# Altium PCB PrintNC_GRBLHAL_Breakout.pcbdoc (part 4 of 9) (continued)
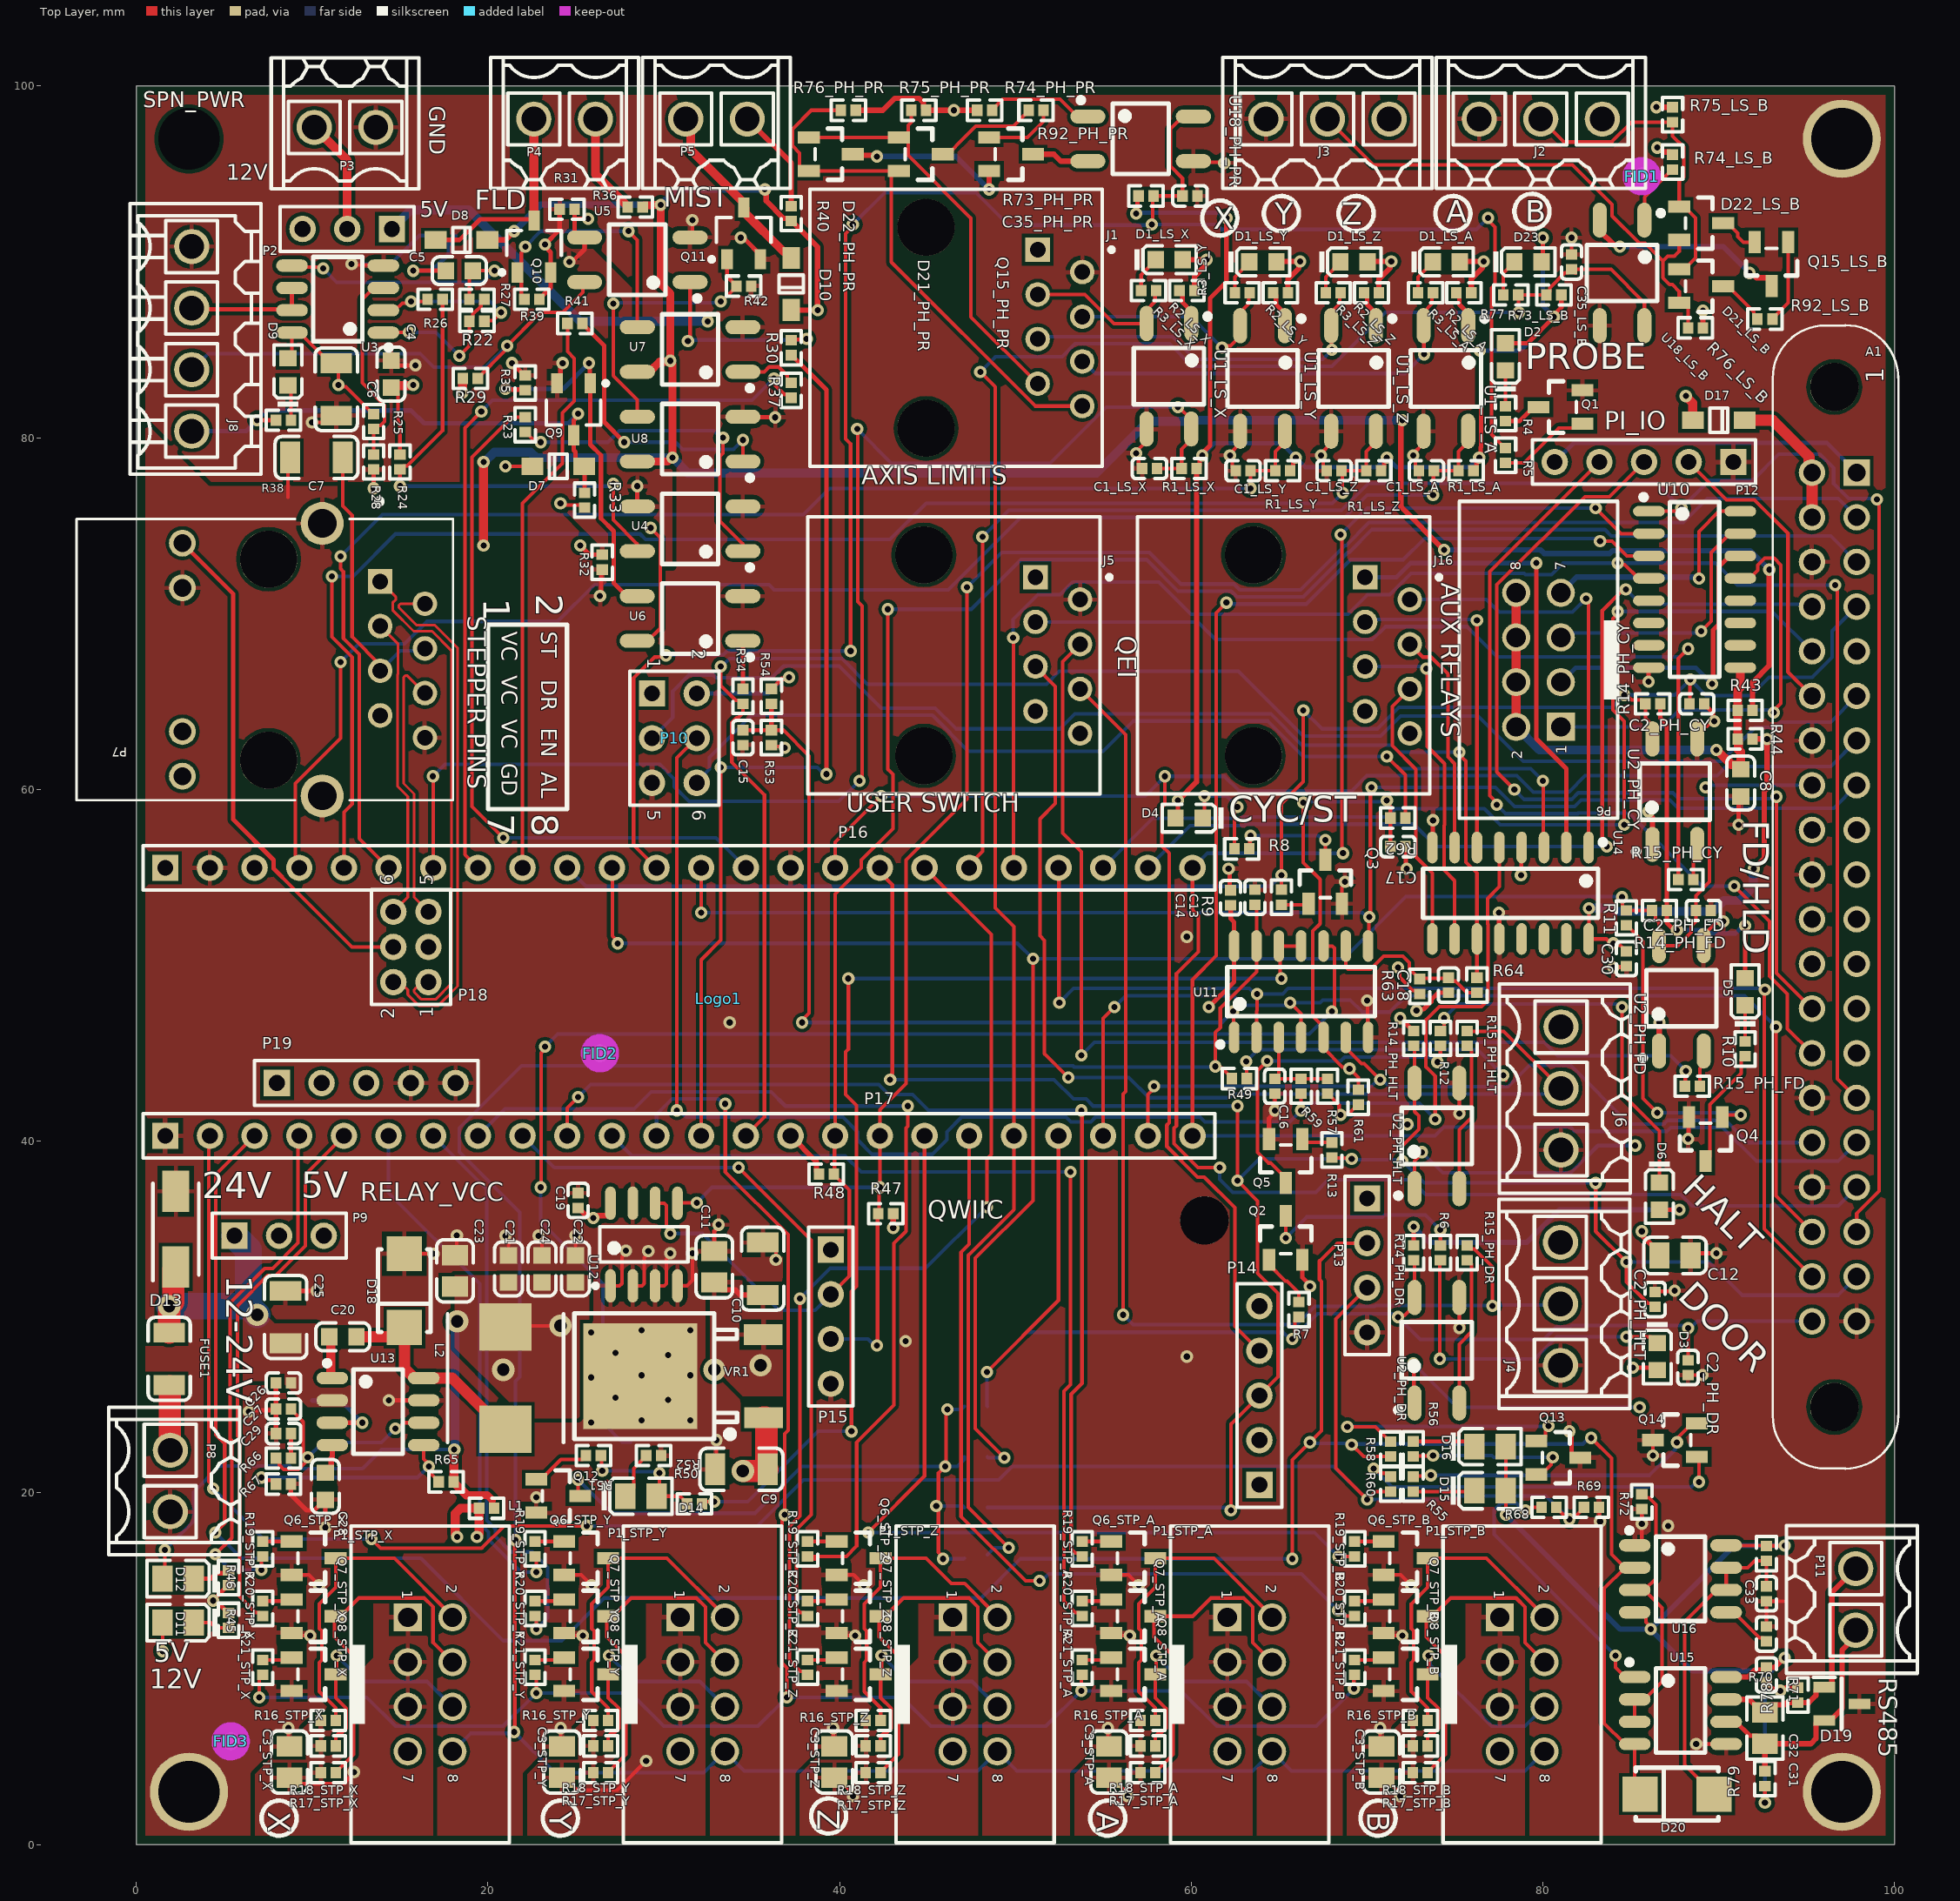
[diagram p0: Top Layer view]
## Footprints (in the part's own frame and the unit in brackets; to place one, negate y for a bottom-side part, rotate by r counter-clockwise, add the part's x,y. Pads: shape width x height; smd on the part's side, far side on the other; paste and mask are expansions set on the pad) (continued)
1_3204(-44164.18,43628.26) 1_3205(-44162.86,43628.68) 1_3206(-44162.86,43628.68) 1_3207(-44162.41,43629.59) 1_3208(-44162.41,43629.59) 1_3209(-44161.08,43630.04) 1_3210(-44161.08,43630.04) 1_3211(-44159.71,43631.37) 1_3212(-44159.71,43631.37) 1_3213(-44158.39,43631.82) 1_3214(-44158.39,43631.82) 1_3215(-44156.6,43633.6) 1_3216(-44156.6,43633.6) 1_3217(-44155.24,43634.06) 1_3218(-44155.24,43634.06) 1_3219(-44153.46,43635.84) 1_3220(-44153.46,43635.84) 1_3221(-44152.13,43636.3) 1_3222(-44152.13,43636.3) 1_3223(-44151.68,43637.2) 1_3224(-44151.68,43637.2) 1_3225(-44150.32,43637.62) 1_3226(-44150.32,43637.62) 1_3227(-44148.98,43638.99) 1_3228(-44148.98,43638.99) 1_3229(-44147.66,43639.44) 1_3230(-44147.66,43639.44) 1_3231(-44147.2,43640.31) 1_3232(-44147.2,43640.31) 1_3233(-44145.84,43640.77) 1_3234(-44145.84,43640.77) 1_3235(-44144.51,43642.1) 1_3236(-44144.51,43642.1) 1_3237(-44143.19,43642.55) 1_3238(-44143.19,43642.55) 1_3239(-44141.37,43644.33) 1_3240(-44141.37,43644.33) 1_3241(-44140.04,43644.79) 1_3242(-44140.04,43644.79) 1_3243(-44138.71,43646.15) 1_3244(-44138.71,43646.15) 1_3245(-44137.35,43646.57) 1_3246(-44137.35,43646.57) 1_3247(-44136.89,43647.48) 1_3248(-44136.89,43647.48) 1_3249(-44135.57,43647.93) 1_3250(-44135.57,43647.93) 1_3251(-44133.78,43649.71) 1_3252(-44133.78,43649.71) 1_3253(-44132.42,43650.17) 1_3254(-44132.42,43650.17) 1_3255(-44132,43651.04) 1_3256(-44132,43651.04) 1_3257(-44130.64,43651.5) 1_3258(-44130.64,43651.5) 1_3259(-44128.85,43653.28) 1_3260(-44128.85,43653.28) 1_3261(-44127.53,43653.73) 1_3262(-44127.53,43653.73) 1_3263(-44126.62,43655.1) 1_3264(-44126.62,43655.1) 1_3265(-44125.29,43655.52) 1_3266(-44125.29,43655.52) 1_3267(-44124.84,43656.42) 1_3268(-44124.84,43656.42) 1_3269(-44123.47,43656.88) 1_3270(-44123.47,43656.88) 1_3271(-44123.06,43657.75) 1_3272(-44123.06,43657.75) 1_3273(-44121.69,43658.21) 1_3274(-44121.69,43658.21) 1_3275(-44121.24,43659.11) 1_3276(-44121.24,43659.11) 1_3277(-44119.91,43659.57) 1_3278(-44119.91,43659.57) 1_3279(-44119.46,43660.44) 1_3280(-44119.46,43660.44) 1_3281(-44118.13,43660.9) 1_3282(-44118.13,43660.9) 1_3283(-44116.34,43662.68) 1_3284(-44116.34,43662.68) 1_3285(-44114.99,43663.13) 1_3286(-44114.99,43663.13) 1_3287(-44113.2,43664.92) 1_3288(-44113.2,43664.92) 1_3289(-44111.88,43665.37) 1_3290(-44111.88,43665.37) 1_3291(-44110.06,43667.15) 1_3292(-44110.06,43667.15) 1_3293(-44108.73,43667.61) 1_3294(-44108.73,43667.61) 1_3295(-44108.27,43668.52) 1_3296(-44108.27,43668.52) 1_3297(-44106.95,43668.93) 1_3298(-44106.95,43668.93) 1_3299(-44106.49,43669.84) 1_3300(-44106.49,43669.84) 1_3301(-44105.16,43670.3) 1_3302(-44105.16,43670.3) 1_3303(-44104.71,43671.17) 1_3304(-44104.71,43671.17) 1_3305(-44103.35,43671.63) 1_3306(-44103.35,43671.63) 1_3307(-44102.93,43672.53) 1_3308(-44102.93,43672.53) 1_3309(-44101.56,43672.99) 1_3310(-44101.56,43672.99) 1_3311(-44101.11,43673.86) 1_3312(-44101.11,43673.86) 1_3313(-44099.78,43674.32) 1_3314(-44099.78,43674.32) 1_3315(-44099.33,43675.22) 1_3316(-44099.33,43675.22) 1_3317(-44098,43675.64) 1_3318(-44098,43675.64) 1_3319(-44097.54,43676.55) 1_3320(-44097.54,43676.55) 1_3321(-44096.22,43677.01) 1_3322(-44096.22,43677.01) 1_3323(-44095.77,43677.88) 1_3324(-44095.77,43677.88) 1_3325(-44094.4,43678.34) 1_3326(-44094.4,43678.34) 1_3327(-44092.62,43680.12) 1_3328(-44092.62,43680.12) 1_3329(-44091.29,43680.57) 1_3330(-44091.29,43680.57) 1_3331(-44090.84,43681.48) 1_3332(-44090.84,43681.48) 1_3333(-44089.51,43681.93) 1_3334(-44089.51,43681.93) 1_3335(-44089.05,43682.81) 1_3336(-44089.05,43682.81) 1_3337(-44087.69,43683.26) 1_3338(-44087.69,43683.26) 1_3339(-44087.27,43684.17) 1_3340(-44087.27,43684.17) 1_3341(-44085.91,43684.59) 1_3342(-44085.91,43684.59) 1_3343(-44084.13,43686.41) 1_3344(-44084.13,43686.41) 1_3345(-44082.8,43686.83) 1_3346(-44082.8,43686.83) 1_3347(-44081.89,43688.19) 1_3348(-44081.89,43688.19) 1_3349(-44080.56,43688.64) 1_3350(-44080.56,43688.64) 1_3351(-44080.11,43689.52) 1_3352(-44080.11,43689.52) 1_3353(-44078.74,43689.97) 1_3354(-44078.74,43689.97) 1_3355(-44078.32,43690.88) 1_3356(-44078.32,43690.88) 1_3357(-44076.96,43691.3) 1_3358(-44076.96,43691.3) 1_3359(-44076.51,43692.21) 1_3360(-44076.51,43692.21) 1_3361(-44075.18,43692.66) 1_3362(-44075.18,43692.66) 1_3363(-44074.73,43693.54) 1_3364(-44074.73,43693.54) 1_3365(-44073.4,43693.99) 1_3366(-44073.4,43693.99) 1_3367(-44072.95,43694.9) 1_3368(-44072.95,43694.9) 1_3369(-44071.62,43695.35) 1_3370(-44071.62,43695.35) 1_3371(-44071.16,43696.23) 1_3372(-44071.16,43696.23) 1_3373(-44069.8,43696.68) 1_3374(-44069.8,43696.68) 1_3375(-44069.38,43697.59) 1_3376(-44069.38,43697.59) 1_3377(-44068.02,43698.01) 1_3378(-44068.02,43698.01) 1_3379(-44067.56,43698.92) 1_3380(-44067.56,43698.92) 1_3381(-44066.23,43699.37) 1_3382(-44066.23,43699.37) 1_3383(-44065.78,43700.24) 1_3384(-44065.78,43700.24) 1_3385(-44064.46,43700.7) 1_3386(-44064.46,43700.7) 1_3387(-44062.67,43702.48) 1_3388(-44062.67,43702.48) 1_3389(-44061.31,43702.94) 1_3390(-44061.31,43702.94) 1_3391(-44060.86,43703.84) 1_3392(-44060.86,43703.84) 1_3393(-44059.53,43704.3) 1_3394(-44059.53,43704.3) 1_3395(-44059.07,43705.17) 1_3396(-44059.07,43705.17) 1_3397(-44057.74,43705.63) 1_3398(-44057.74,43705.63) 1_3399(-44055.96,43707.41) 1_3400(-44055.96,43707.41) 1_3401(-44054.6,43707.86) 1_3402(-44054.6,43707.86) 1_3403(-44054.14,43708.77) 1_3404(-44054.14,43708.77) 1_3405(-44052.82,43709.19) 1_3406(-44052.82,43709.19) 1_3407(-44052.36,43710.1) 1_3408(-44052.36,43710.1) 1_3409(-44051.03,43710.55) 1_3410(-44051.03,43710.55) 1_3411(-44049.25,43712.34) 1_3412(-44049.25,43712.34) 1_3413(-44047.89,43712.79) 1_3414(-44047.89,43712.79) 1_3415(-44047.43,43713.66) 1_3416(-44047.43,43713.66) 1_3417(-44046.1,43714.12) 1_3418(-44046.1,43714.12) 1_3419(-44044.33,43715.9) 1_3420(-44044.33,43715.9) 1_3421(-44042.96,43716.35) 1_3422(-44042.96,43716.35) 1_3423(-44042.09,43717.72) 1_3424(-44042.09,43717.72) 1_3425(-44040.73,43718.14) 1_3426(-44040.73,43718.14) 1_3427(-44040.31,43719.05) 1_3428(-44040.31,43719.05) 1_3429(-44038.94,43719.5) 1_3430(-44038.94,43719.5) 1_3431(-44038.07,43720.83) 1_3432(-44038.07,43720.83) 1_3433(-44036.71,43721.28) 1_3434(-44036.71,43721.28) 1_3435(-44036.25,43722.19) 1_3436(-44036.25,43722.19) 1_3437(-44034.92,43722.61) 1_3438(-44034.92,43722.61) 1_3439(-44034.47,43723.52) 1_3440(-44034.47,43723.52) 1_3441(-44033.14,43723.97) 1_3442(-44033.14,43723.97) 1_3443(-44032.69,43724.85) 1_3444(-44032.69,43724.85) 1_3445(-44031.36,43725.3) 1_3446(-44031.36,43725.3) 1_3447(-44029.54,43727.08) 1_3448(-44029.54,43727.08) 1_3449(-44028.21,43727.54) 1_3450(-44028.21,43727.54) 1_3451(-44026.43,43729.32) 1_3452(-44026.43,43729.32) 1_3453(-44025.07,43729.77) 1_3454(-44025.07,43729.77) 1_3455(-44024.65,43730.68) 1_3456(-44024.65,43730.68) 1_3457(-44023.28,43731.14) 1_3458(-44023.28,43731.14) 1_3459(-44021.51,43732.92) 1_3460(-44021.51,43732.92) 1_3461(-44018.36,43734.25) 1_3462(-44018.36,43734.25) 1_3463(-44017.03,43735.61) 1_3464(-44017.03,43735.61) 1_3465(-44015.7,43736.03) 1_3466(-44015.7,43736.03) 1_3467(-44014.79,43737.39) 1_3468(-44014.79,43737.39) 1_3469(-44011.65,43739.17) 1_3470(-44011.65,43739.17) 1_3471(-44008.08,43740.08) 1_3472(-44008.54,43738.72) 1_3473(-44008.08,43740.08) 1_3474(-44009,43738.72) 1_3475(-44008.54,43738.72) 1_3476(-44009.42,43735.61) 1_3477(-44009,43738.72) 1_3478(-44009.87,43735.61) 1_3479(-44009.42,43735.61) 1_3480(-44009.87,43735.61) 1_3481(-44009.42,43732.92) 1_3482(-44009.42,43732.92) 1_3483(-44009,43733.37) 1_3484(-44009,43733.37) 1_3485(-44008.54,43732.47) 1_3486(-44009.42,43732.47) 1_3487(-44008.54,43732.47) 1_3488(-44009.87,43731.14) 1_3489(-44009.42,43732.47) 1_3490(-44010.78,43731.14) 1_3491(-44009.87,43731.14) 1_3492(-44014.34,43727.08) 1_3493(-44010.78,43731.14) 1_3494(-44015.25,43727.08) 1_3495(-44014.34,43727.08) 1_3496(-44019.27,43722.61) 1_3497(-44015.25,43727.08) 1_3498(-44020.18,43722.61) 1_3499(-44019.27,43722.61) 1_3500(-44022.83,43719.5) 1_3501(-44020.18,43722.61) 1_3502(-44023.74,43719.5) 1_3503(-44022.83,43719.5) 1_3504(-44033.14,43709.65) 1_3505(-44023.74,43719.5) 1_3506(-44034.01,43709.65) 1_3507(-44033.14,43709.65) 1_3508(-44036.71,43706.54) 1_3509(-44034.01,43709.65) 1_3510(-44037.62,43706.54) 1_3511(-44036.71,43706.54) 1_3512(-44043.87,43699.83) 1_3513(-44037.62,43706.54) 1_3514(-44044.78,43699.83) 1_3515(-44043.87,43699.83) 1_3516(-44052.36,43691.75) 1_3517(-44044.78,43699.83) 1_3518(-44053.27,43691.75) 1_3519(-44052.36,43691.75) 1_3520(-44057.29,43687.28) 1_3521(-44053.27,43691.75) 1_3522(-44058.19,43687.28) 1_3523(-44057.29,43687.28) 1_3524(-44061.31,43683.72) 1_3525(-44058.19,43687.28) 1_3526(-44062.21,43683.72) 1_3527(-44061.31,43683.72) 1_3528(-44072.49,43672.99) 1_3529(-44062.21,43683.72) 1_3530(-44073.4,43672.99) 1_3531(-44072.49,43672.99) 1_3532(-44076.09,43669.84) 1_3533(-44073.4,43672.99) 1_3534(-44076.96,43669.84) 1_3535(-44076.09,43669.84) 1_3536(-44082.34,43664.04) 1_3537(-44076.96,43669.84) 1_3538(-44083.22,43664.04) 1_3539(-44082.34,43664.04) 1_3540(-44091.75,43655.1) 1_3541(-44083.22,43664.04) 1_3542(-44092.62,43655.1) 1_3543(-44091.75,43655.1) 1_3544(-44097.09,43650.17) 1_3545(-44092.62,43655.1) 1_3546(-44098,43650.17) 1_3547(-44097.09,43650.17) 1_3548(-44108.27,43639.44) 1_3549(-44098,43650.17) 1_3550(-44109.18,43639.44) 1_3551(-44108.27,43639.44) 1_3552(-44113.2,43634.97) 1_3553(-44109.18,43639.44) 1_3554(-44114.11,43634.97) 1_3555(-44113.2,43634.97) 1_3556(-44119.91,43628.68) 1_3557(-44114.11,43634.97) 1_3558(-44120.82,43628.68) 1_3559(-44119.91,43628.68) 1_3560(-44124.84,43624.21) 1_3561(-44120.82,43628.68) 1_3562(-44125.71,43624.21) 1_3563(-44124.84,43624.21) 1_3564(-44130.19,43619.31) 1_3565(-44125.71,43624.21) 1_3566(-44131.1,43619.31) 1_3567(-44130.19,43619.31) 1_3568(-44134.66,43615.26) 1_3569(-44131.1,43619.31) 1_3570(-44135.57,43615.26) 1_3571(-44134.66,43615.26) 1_3572(-44142.28,43608.13) 1_3573(-44135.57,43615.26) 1_3574(-44143.19,43608.13) 1_3575(-44142.28,43608.13) 1_3576(-44145.42,43605.44) 1_3577(-44143.19,43608.13) 1_3578(-44145.84,43605.44) 1_3579(-44145.42,43605.44) 1_3580(-44146.3,43604.08) 1_3581(-44145.84,43605.44) 1_3582(-44147.2,43604.08) 1_3583(-44146.3,43604.08) 1_3584(-44149.9,43600.97) 1_3585(-44147.2,43604.08) 1_3586(-44150.77,43600.97) 1_3587(-44149.9,43600.97) 1_3588(-44152.13,43599.18) 1_3589(-44150.77,43600.97) 1_3590(-44153,43599.18) 1_3591(-44152.13,43599.18) 1_3592(-44157.48,43594.26) 1_3593(-44153,43599.18) 1_3594(-44158.39,43594.26) 1_3595(-44157.48,43594.26) 1_3596(-44161.08,43591.11) 1_3597(-44158.39,43594.26) 1_3598(-44161.95,43591.11) 1_3599(-44161.08,43591.11) 1_3600(-44165.1,43587.55) 1_3601(-44161.95,43591.11) 1_3602(-44165.97,43587.55) 1_3603(-44165.1,43587.55) 1_3604(-44168.66,43584.4) 1_3605(-44165.97,43587.55) 1_3606(-44169.57,43584.4) 1_3607(-44168.66,43584.4) 1_3608(-44171.35,43582.17) 1_3609(-44169.57,43584.4) 1_3610(-44172.26,43582.17) 1_3611(-44171.35,43582.17) 1_3612(-44176.28,43577.69) 1_3613(-44172.26,43582.17) 1_3614(-44177.15,43577.69) 1_3615(-44176.28,43577.69) 1_3616(-44177.61,43576.82) 1_3617(-44177.15,43577.69) 1_3618(-44177.61,43576.82) 1_3619(-44159.71,43570.53) 1_3620(-44159.71,43570.53) 1_3621(-44148.07,43566.51) 1_3622(-44148.07,43566.51) 1_3623(-44141.82,43564.73) 1_3624(-44141.82,43564.73) 1_3625(-44136.89,43562.49) 1_3626(-44136.89,43562.49) 1_3627(-44130.64,43560.71) 1_3628(-44130.64,43560.71) 1_3629(-44125.71,43558.47) 1_3630(-44125.71,43558.47) 1_3631(-44119.46,43556.69) 1_3632(-44119.46,43556.69) 1_3633(-44114.53,43554.45) 1_3634(-44114.53,43554.45) 1_3635(-44100.24,43549.98) 1_3636(-44100.24,43549.98) 1_3637(-44098,43548.62) 1_3638(-44098,43548.62) 1_3639(-44095.77,43548.16) 1_3640(-44095.77,43548.16) 1_3641(-44093.52,43546.84) 1_3642(-44093.52,43546.84) 1_3643(-44083.22,43543.69) 1_3644(-44083.22,43543.69) 1_3645(-44078.32,43541.45) 1_3646(-44078.32,43541.45) 1_3647(-44073.4,43540.13) 1_3648(-44073.4,43540.13) 1_3649(-44068.47,43537.89) 1_3650(-44068.47,43537.89) 1_3651(-44063.54,43536.56) 1_3652(-44063.54,43536.56) 1_3653(-44061.31,43535.2) 1_3654(-44061.31,43535.2) 1_3655(-44059.07,43534.74) 1_3656(-44059.07,43534.74) 1_3657(-44056.84,43533.42) 1_3658(-44056.84,43533.42) 1_3659(-44054.6,43532.96) 1_3660(-44054.6,43532.96) 1_3661(-44052.36,43531.63) 1_3662(-44052.36,43531.63) 1_3663(-44050.12,43531.18) 1_3664(-44050.12,43531.18) 1_3665(-44047.89,43529.85) 1_3666(-44047.89,43529.85) 1_3667(-44045.65,43529.4) 1_3668(-44045.65,43529.4) 1_3669(-44043.41,43528.04) 1_3670(-44043.41,43528.04) 1_3671(-44041.18,43527.62) 1_3672(-44041.18,43527.62) 1_3673(-44038.94,43526.25) 1_3674(-44038.94,43526.25) 1_3675(-44036.71,43525.8) 1_3676(-44036.71,43525.8) 1_3677(-44033.14,43524.02) 1_3678(-44033.14,43524.02) 1_3679(-44030.9,43523.56) 1_3680(-44030.9,43523.56) 1_3681(-44028.67,43522.23) 1_3682(-44028.67,43522.23) 1_3683(-44026.43,43521.78) 1_3684(-44026.43,43521.78) 1_3685(-44024.2,43520.45) 1_3686(-44024.2,43520.45) 1_3687(-44021.96,43520) 1_3688(-44021.96,43520) 1_3689(-44021.05,43519.09) 1_3690(-44021.05,43519.09) 1_3691(-44018.81,43518.67) 1_3692(-44018.81,43518.67) 1_3693(-44016.58,43517.31) 1_3694(-44016.58,43517.31) 1_3695(-44014.34,43516.85) 1_3696(-44014.34,43516.85) 1_3697(-44010.78,43515.07) 1_3698(-44010.78,43515.07) 1_3699(-44008.54,43514.62) 1_3700(-44008.54,43514.62) 1_3701(-44006.3,43513.29) 1_3702(-44006.3,43513.29) 1_3703(-44004.07,43512.83) 1_3704(-44004.07,43512.83) 1_3705(-44003.16,43511.96) 1_3706(-44003.16,43511.96) 1_3707(-44000.92,43511.51) 1_3708(-44000.92,43511.51) 1_3709(-43997.81,43509.72) 1_3710(-43997.81,43509.72) 1_3711(-43995.57,43509.27) 1_3712(-43995.57,43509.27) 1_3713(-43993.76,43507.91) 1_3714(-43993.76,43507.91) 1_3715(-43991.52,43507.49) 1_3716(-43991.52,43507.49) 1_3717(-43990.65,43506.58) 1_3718(-43990.65,43506.58) 1_3719(-43988.41,43506.13) 1_3720(-43988.41,43506.13) 1_3721(-43986.18,43504.8) 1_3722(-43986.18,43504.8) 1_3723(-43983.94,43504.34) 1_3724(-43983.94,43504.34) 1_3725(-43976.77,43500.32) 1_3726(-43976.77,43500.32) 1_3727(-43974.54,43499.87) 1_3728(-43974.54,43499.87) 1_3729(-43973.63,43498.96) 1_3730(-43973.63,43498.96) 1_3731(-43971.39,43498.54) 1_3732(-43971.39,43498.54) 1_3733(-43967.83,43496.31) 1_3734(-43967.83,43496.31) 1_3735(-43964.68,43495.4) 1_3736(-43964.68,43495.4) 1_3737(-43961.57,43493.16) 1_3738(-43961.57,43493.16) 1_3739(-43957.55,43491.38) 1_3740(-43957.55,43491.38) 1_3741(-43954.87,43488.69) 1_3742(-43954.87,43488.69) 1_3743(-43954.41,43486.91) 1_3744(-43957.55,43486) 1_3745(-43954.41,43486.91) 1_3746(-43968.74,43487.36) 1_3747(-43957.55,43486) 1_3748(-43981.25,43490.47) 1_3749(-43968.74,43487.36) 1_3750(-43997.81,43494.49) 1_3751(-43981.25,43490.47) 1_3752(-44000.92,43494.94) 1_3753(-43997.81,43494.49) 1_3754(-44002.29,43495.85) 1_3755(-44000.92,43494.94) 1_3756(-44010.78,43497.18) 1_3757(-44002.29,43495.85) 1_3758(-44014.79,43498.96) 1_3759(-44010.78,43497.18) 1_3760(-44025.53,43501.65) 1_3761(-44014.79,43498.96) 1_3762(-44028.67,43502.11) 1_3763(-44025.53,43501.65) 1_3764(-44033.6,43503.89) 1_3765(-44028.67,43502.11) 1_3766(-44036.71,43504.34) 1_3767(-44033.6,43503.89) 1_3768(-44039.85,43505.67) 1_3769(-44036.71,43504.34) 1_3770(-44042.96,43506.13) 1_3771(-44039.85,43505.67) 1_3772(-44046.1,43507.49) 1_3773(-44042.96,43506.13) 1_3774(-44051.03,43508.36) 1_3775(-44046.1,43507.49) 1_3776(-44054.14,43509.72) 1_3777(-44051.03,43508.36) 1_3778(-44057.29,43510.14) 1_3779(-44054.14,43509.72) 1_3780(-44060.44,43511.51) 1_3781(-44057.29,43510.14) 1_3782(-44063.54,43511.96) 1_3783(-44060.44,43511.51) 1_3784(-44066.69,43513.29) 1_3785(-44063.54,43511.96) 1_3786(-44069.8,43513.74) 1_3787(-44066.69,43513.29) 1_3788(-44072.95,43515.07) 1_3789(-44069.8,43513.74) 1_3790(-44076.09,43515.52) 1_3791(-44072.95,43515.07) 1_3792(-44079.2,43516.85) 1_3793(-44076.09,43515.52) 1_3794(-44082.34,43517.31) 1_3795(-44079.2,43516.85) 1_3796(-44085.45,43518.67) 1_3797(-44082.34,43517.31) 1_3798(-44090.38,43519.54) 1_3799(-44085.45,43518.67) 1_3800(-44091.75,43520.45) 1_3801(-44090.38,43519.54) 1_3802(-44094.86,43520.91) 1_3803(-44091.75,43520.45) 1_3804(-44098,43522.23) 1_3805(-44094.86,43520.91) 1_3806(-44101.11,43522.69) 1_3807(-44098,43522.23) 1_3808(-44102.47,43523.56) 1_3809(-44101.11,43522.69) 1_3810(-44105.58,43524.02) 1_3811(-44102.47,43523.56) 1_3812(-44108.73,43525.38) 1_3813(-44105.58,43524.02) 1_3814(-44111.88,43525.8) 1_3815(-44108.73,43525.38) 1_3816(-44116.34,43527.62) 1_3817(-44111.88,43525.8) 1_3818(-44119.46,43528.04) 1_3819(-44116.34,43527.62) 1_3820(-44123.93,43529.85) 1_3821(-44119.46,43528.04) 1_3822(-44127.08,43530.27) 1_3823(-44123.93,43529.85) 1_3824(-44128.4,43531.18) 1_3825(-44127.08,43530.27) 1_3826(-44131.55,43531.63) 1_3827(-44128.4,43531.18) 1_3828(-44134.66,43532.96) 1_3829(-44131.55,43531.63) 1_3830(-44137.8,43533.42) 1_3831(-44134.66,43532.96) 1_3832(-44140.95,43534.74) 1_3833(-44137.8,43533.42) 1_3834(-44144.05,43535.2) 1_3835(-44140.95,43534.74) 1_3836(-44147.2,43536.56) 1_3837(-44144.05,43535.2) 1_3838(-44150.32,43536.98) 1_3839(-44147.2,43536.56) 1_3840(-44153.46,43538.34) 1_3841(-44150.32,43536.98) 1_3842(-44158.39,43539.22) 1_3843(-44153.46,43538.34) 1_3844(-44159.71,43540.13) 1_3845(-44158.39,43539.22) 1_3846(-44162.86,43540.58) 1_3847(-44159.71,43540.13) 1_3848(-44165.97,43541.91) 1_3849(-44162.86,43540.58) 1_3850(-44169.11,43542.36) 1_3851(-44165.97,43541.91) 1_3852(-44173.59,43544.15) 1_3853(-44169.11,43542.36) 1_3854(-44176.73,43544.6) 1_3855(-44173.59,43544.15) 1_3856(-44179.84,43545.93) 1_3857(-44176.73,43544.6) 1_3858(-44182.99,43546.38) 1_3859(-44179.84,43545.93) 1_3860(-44186.1,43547.74) 1_3861(-44182.99,43546.38) 1_3862(-44189.24,43548.16) 1_3863(-44186.1,43547.74) 1_3864(-44192.39,43549.53) 1_3865(-44189.24,43548.16) 1_3866(-44195.5,43549.98) 1_3867(-44192.39,43549.53) 1_3868(-44198.64,43551.31) 1_3869(-44195.5,43549.98) 1_3870(-44205.81,43553.09) 1_3871(-44198.64,43551.31) 1_3872(-44206.23,43552.22) 1_3873(-44205.81,43553.09) 1_3874(-44207.13,43552.22) 1_3875(-44206.23,43552.22) 1_3876(-44208.04,43550.85) 1_3877(-44207.13,43552.22) 1_3878(-44208.92,43550.85) 1_3879(-44208.04,43550.85) 1_3880(-44210.7,43548.62) 1_3881(-44208.92,43550.85) 1_3882(-44211.61,43548.62) 1_3883(-44210.7,43548.62) 1_3884(-44212.06,43547.74) 1_3885(-44211.61,43548.62) 1_3886(-44212.94,43547.74) 1_3887(-44212.06,43547.74) 1_3888(-44216.53,43543.69) 1_3889(-44212.94,43547.74) 1_3890(-44217.41,43543.69) 1_3891(-44216.53,43543.69) 1_3892(-44218.32,43542.36) 1_3893(-44217.41,43543.69) 1_3894(-44219.23,43542.36) 1_3895(-44218.32,43542.36) 1_3896(-44220.1,43541.04) 1_3897(-44219.23,43542.36) 1_3898(-44221.01,43541.04) 1_3899(-44220.1,43541.04) 1_3900(-44221.88,43539.67) 1_3901(-44221.01,43541.04) 1_3902(-44222.79,43539.67) 1_3903(-44221.88,43539.67) 1_3904(-44224.57,43537.44) 1_3905(-44222.79,43539.67) 1_3906(-44225.48,43537.44) 1_3907(-44224.57,43537.44) 1_3908(-44227.26,43535.2) 1_3909(-44225.48,43537.44) 1_3910(-44228.17,43535.2) 1_3911(-44227.26,43535.2) 1_3912(-44229.5,43533.42) 1_3913(-44228.17,43535.2) 1_3914(-44230.41,43533.42) 1_3915(-44229.5,43533.42) 1_3916(-44232.19,43531.18) 1_3917(-44230.41,43533.42) 1_3918(-44233.06,43531.18) 1_3919(-44232.19,43531.18) 1_3920(-44233.97,43529.85) 1_3921(-44233.06,43531.18) 1_3922(-44234.88,43529.85) 1_3923(-44233.97,43529.85) 1_3924(-44235.75,43528.49) 1_3925(-44234.88,43529.85) 1_3926(-44236.66,43528.49) 1_3927(-44235.75,43528.49) 1_3928(-44237.54,43527.16) 1_3929(-44236.66,43528.49) 1_3930(-44238.44,43527.16) 1_3931(-44237.54,43527.16) 1_3932(-44239.35,43525.8) 1_3933(-44238.44,43527.16) 1_3934(-44240.23,43525.8) 1_3935(-44239.35,43525.8) 1_3936(-44241.14,43524.47) 1_3937(-44240.23,43525.8) 1_3938(-44242.01,43524.47) 1_3939(-44241.14,43524.47) 1_3940(-44242.92,43523.14) 1_3941(-44242.01,43524.47) 1_3942(-44243.83,43523.14) 1_3943(-44242.92,43523.14) 1_3944(-44245.61,43520.91) 1_3945(-44243.83,43523.14) 1_3946(-44246.48,43520.91) 1_3947(-44245.61,43520.91) 1_3948(-44248.3,43518.67) 1_3949(-44246.48,43520.91) 1_3950(-44249.17,43518.67) 1_3951(-44248.3,43518.67) 1_3952(-44250.08,43517.31) 1_3953(-44249.17,43518.67) 1_3954(-44250.95,43517.31) 1_3955(-44250.08,43517.31) 1_3956(-44251.86,43515.98) 1_3957(-44250.95,43517.31) 1_3958(-44252.77,43515.98) 1_3959(-44251.86,43515.98) 1_3960(-44253.65,43514.62) 1_3961(-44252.77,43515.98) 1_3962(-44254.55,43514.62) 1_3963(-44253.65,43514.62) 1_3964(-44255.43,43513.29) 1_3965(-44254.55,43514.62) 1_3966(-44256.34,43513.29) 1_3967(-44255.43,43513.29) 1_3968(-44257.25,43511.96) 1_3969(-44256.34,43513.29) 1_3970(-44258.12,43511.96) 1_3971(-44257.25,43511.96) 1_3972(-44259.03,43510.6) 1_3973(-44258.12,43511.96) 1_3974(-44259.9,43510.6) 1_3975(-44259.03,43510.6) 1_3976(-44260.81,43509.27) 1_3977(-44259.9,43510.6) 1_3978(-44261.72,43509.27) 1_3979(-44260.81,43509.27) 1_3980(-44262.59,43507.91) 1_3981(-44261.72,43509.27) 1_3982(-44263.5,43507.91) 1_3983(-44262.59,43507.91) 1_3984(-44264.37,43506.58) 1_3985(-44263.5,43507.91) 1_3986(-44265.28,43506.58) 1_3987(-44264.37,43506.58) 1_3988(-44265.74,43505.67) 1_3989(-44265.28,43506.58) 1_3990(-44266.61,43505.67) 1_3991(-44265.74,43505.67) 1_3992(-44267.07,43504.8) 1_3993(-44266.61,43505.67) 1_3994(-44267.97,43504.8) 1_3995(-44267.07,43504.8) 1_3996(-44268.43,43503.89) 1_3997(-44267.97,43504.8) 1_3998(-44269.3,43503.89) 1_3999(-44268.43,43503.89) 1_4000(-44270.21,43502.56) 1_4001(-44269.3,43503.89) 1_4002(-44271.08,43502.56) 1_4003(-44270.21,43502.56) 1_4004(-44271.99,43501.2) 1_4005(-44271.08,43502.56) 1_4006(-44272.9,43501.2) 1_4007(-44271.99,43501.2) 1_4008(-44273.77,43499.87) 1_4009(-44272.9,43501.2) 1_4010(-44274.68,43499.87) 1_4011(-44273.77,43499.87) 1_4012(-44275.56,43498.54) 1_4013(-44274.68,43499.87) 1_4014(-44276.47,43498.54) 1_4015(-44275.56,43498.54) 1_4016(-44276.92,43497.63) 1_4017(-44276.47,43498.54) 1_4018(-44277.79,43497.63) 1_4019(-44276.92,43497.63) 1_4020(-44278.25,43496.73) 1_4021(-44277.79,43497.63) 1_4022(-44279.16,43496.73) 1_4023(-44278.25,43496.73) 1_4024(-44279.61,43495.85) 1_4025(-44279.16,43496.73) 1_4026(-44280.48,43495.85) 1_4027(-44279.61,43495.85) 1_4028(-44280.94,43494.94) 1_4029(-44280.48,43495.85) 1_4030(-44281.85,43494.94) 1_4031(-44280.94,43494.94) 1_4032(-44282.72,43493.61) 1_4033(-44281.85,43494.94) 1_4034(-44283.63,43493.61) 1_4035(-44282.72,43493.61) 1_4036(-44284.5,43492.25) 1_4037(-44283.63,43493.61) 1_4038(-44285.41,43492.25) 1_4039(-44284.5,43492.25) 1_4040(-44287.19,43490.47) 1_4041(-44285.41,43492.25) 1_4042(-44288.1,43490.47) 1_4043(-44287.19,43490.47) 1_4044(-44289.43,43489.14) 1_4045(-44288.1,43490.47) 1_4046(-44290.34,43489.14) 1_4047(-44289.43,43489.14) 1_4048(-44290.79,43488.23) 1_4049(-44290.34,43489.14) 1_4050(-44291.67,43488.23) 1_4051(-44290.79,43488.23) 1_4052(-44292.12,43487.36) 1_4053(-44291.67,43488.23) 1_4054(-44293.03,43487.36) 1_4055(-44292.12,43487.36) 1_4056(-44293.9,43486) 1_4057(-44293.03,43487.36) 1_4058(-44294.81,43486) 1_4059(-44293.9,43486) 1_4060(-44295.68,43484.67) 1_4061(-44294.81,43486) 1_4062(-44296.59,43484.67) 1_4063(-44295.68,43484.67) 1_4064(-44298.38,43482.89) 1_4065(-44296.59,43484.67) 1_4066(-44299.29,43482.89) 1_4067(-44298.38,43482.89) 1_4068(-44300.61,43481.52) 1_4069(-44299.29,43482.89) 1_4070(-44301.52,43481.52) 1_4071(-44300.61,43481.52) 1_4072(-44301.98,43480.65) 1_4073(-44301.52,43481.52) 1_4074(-44302.85,43480.65) 1_4075(-44301.98,43480.65) 1_4076(-44303.3,43479.74) 1_4077(-44302.85,43480.65) 1_4078(-44304.21,43479.74) 1_4079(-44303.3,43479.74) 1_4080(-44305.08,43478.41) 1_4081(-44304.21,43479.74) 1_4082(-44305.99,43478.41) 1_4083(-44305.08,43478.41) 1_4084(-44306.87,43477.05) 1_4085(-44305.99,43478.41) 1_4086(-44307.78,43477.05) 1_4087(-44306.87,43477.05) 1_4088(-44309.56,43475.27) 1_4089(-44307.78,43477.05) 1_4090(-44310.47,43475.27) 1_4091(-44309.56,43475.27) 1_4092(-44311.79,43473.94) 1_4093(-44310.47,43475.27) 1_4094(-44312.7,43473.94) 1_4095(-44311.79,43473.94) 1_4096(-44313.16,43473.03) 1_4097(-44312.7,43473.94) 1_4098(-44314.03,43473.03) 1_4099(-44313.16,43473.03) 1_4100(-44314.49,43472.12) 1_4101(-44314.03,43473.03) 1_4102(-44315.4,43472.12) 1_4103(-44314.49,43472.12) 1_4104(-44315.81,43471.25) 1_4105(-44315.4,43472.12) 1_4106(-44316.72,43471.25) 1_4107(-44315.81,43471.25) 1_4108(-44317.18,43470.34) 1_4109(-44316.72,43471.25) 1_4110(-44318.05,43470.34) 1_4111(-44317.18,43470.34) 1_4112(-44318.5,43469.47) 1_4113(-44318.05,43470.34) 1_4114(-44319.41,43469.47) 1_4115(-44318.5,43469.47) 1_4116(-44319.87,43468.56) 1_4117(-44319.41,43469.47) 1_4118(-44320.74,43468.56) 1_4119(-44319.87,43468.56) 1_4120(-44323.89,43466.32) 1_4121(-44320.74,43468.56) 1_4122(-44327.45,43464.09) 1_4123(-44323.89,43466.32) 1_4124(-44328.36,43464.09) 1_4125(-44327.45,43464.09) 1_4126(-44329.69,43462.76) 1_4127(-44328.36,43464.09) 1_4128(-44330.6,43462.76) 1_4129(-44329.69,43462.76) 1_4130(-44331.05,43461.85) 1_4131(-44330.6,43462.76) 1_4132(-44331.92,43461.85) 1_4133(-44331.05,43461.85) 1_4134(-44335.07,43459.61) 1_4135(-44331.92,43461.85) 1_4136(-44338.63,43457.38) 1_4137(-44335.07,43459.61) 1_4138(-44339.54,43457.38) 1_4139(-44338.63,43457.38) 1_4140(-44340.87,43456.05) 1_4141(-44339.54,43457.38) 1_4142(-44341.78,43456.05) 1_4143(-44340.87,43456.05) 1_4144(-44343.1,43454.69) 1_4145(-44341.78,43456.05) 1_4146(-44344.01,43454.69) 1_4147(-44343.1,43454.69) 1_4148(-44345.34,43453.36) 1_4149(-44344.01,43454.69) 1_4150(-44346.25,43453.36) 1_4151(-44345.34,43453.36) 1_4152(-44347.58,43451.99) 1_4153(-44346.25,43453.36) 1_4154(-44351.6,43449.76) 1_4155(-44347.58,43451.99) 1_4156(-44352.51,43449.76) 1_4157(-44351.6,43449.76) 1_4158(-44355.65,43447.52) 1_4159(-44352.51,43449.76) 1_4160(-44356.53,43447.52) 1_4161(-44355.65,43447.52) 1_4162(-44357.89,43446.19) 1_4163(-44356.53,43447.52) 1_4164(-44358.76,43446.19) 1_4165(-44357.89,43446.19) 1_4166(-44359.21,43445.28) 1_4167(-44358.76,43446.19) 1_4168(-44360.54,43445.28) 1_4169(-44359.21,43445.28) 1_4170(-44368.62,43440.81) 1_4171(-44360.54,43445.28) 1_4172(-44369.49,43440.81) 1_4173(-44368.62,43440.81) 1_4174(-44372.64,43438.58) 1_4175(-44369.49,43440.81) 1_4176(-44373.54,43438.58) 1_4177(-44372.64,43438.58) 1_4178(-44374.87,43437.25) 1_4179(-44373.54,43438.58) 1_4180(-44375.78,43437.25) 1_4181(-44374.87,43437.25) 1_4182(-44376.2,43436.34) 1_4183(-44375.78,43437.25) 1_4184(-44377.56,43436.34) 1_4185(-44376.2,43436.34) 1_4186(-44382.03,43433.68) 1_4187(-44377.56,43436.34) 1_4188(-44383.36,43433.68) 1_4189(-44382.03,43433.68) 1_4190(-44393.22,43428.3) 1_4191(-44383.36,43433.68) 1_4192(-44394.55,43428.3) 1_4193(-44393.22,43428.3) 1_4194(-44405.73,43422.5) 1_4195(-44394.55,43428.3) 1_4196(-44407.09,43422.5) 1_4197(-44405.73,43422.5) 1_4198(-44407.96,43421.59) 1_4199(-44407.09,43422.5) 1_4200(-44409.33,43421.59) 1_4201(-44407.96,43421.59) 1_4202(-44410.2,43420.68) 1_4203(-44409.33,43421.59) 1_4204(-44411.56,43420.68) 1_4205(-44410.2,43420.68) 1_4206(-44416.04,43418.03) 1_4207(-44411.56,43420.68) 1_4208(-44417.36,43418.03) 1_4209(-44416.04,43418.03) 1_4210(-44418.27,43417.12) 1_4211(-44417.36,43418.03) 1_4212(-44419.6,43417.12) 1_4213(-44418.27,43417.12) 1_4214(-44422.75,43415.34) 1_4215(-44419.6,43417.12) 1_4216(-44424.07,43415.34) 1_4217(-44422.75,43415.34) 1_4218(-44424.98,43414.43) 1_4219(-44424.07,43415.34) 1_4220(-44426.31,43414.43) 1_4221(-44424.98,43414.43) 1_4222(-44427.22,43413.56) 1_4223(-44426.31,43414.43) 1_4224(-44428.55,43413.56) 1_4225(-44427.22,43413.56) 1_4226(-44429.45,43412.65) 1_4227(-44428.55,43413.56) 1_4228(-44430.78,43412.65) 1_4229(-44429.45,43412.65) 1_4230(-44432.56,43411.32) 1_4231(-44430.78,43412.65) 1_4232(-44434.35,43411.32) 1_4233(-44432.56,43411.32) 1_4234(-44438.4,43409.5) 1_4235(-44434.35,43411.32) 1_4236(-44439.73,43409.5) 1_4237(-44438.4,43409.5) 1_4238(-44440.64,43408.63) 1_4239(-44439.73,43409.5) 1_4240(-44441.97,43408.63) 1_4241(-44440.64,43408.63) 1_4242(-44443.75,43407.26) 1_4243(-44441.97,43408.63) 1_4244(-44445.53,43407.26) 1_4245(-44443.75,43407.26) 1_4246(-44449.58,43405.48) 1_4247(-44445.53,43407.26) 1_4248(-44450.91,43405.48) 1_4249(-44449.58,43405.48)